# Allegro board RK3588_Template_LP4XD200P232SD8_41R0X41R0_2133MHz_H1R0_V10_20211230.brd (continued)
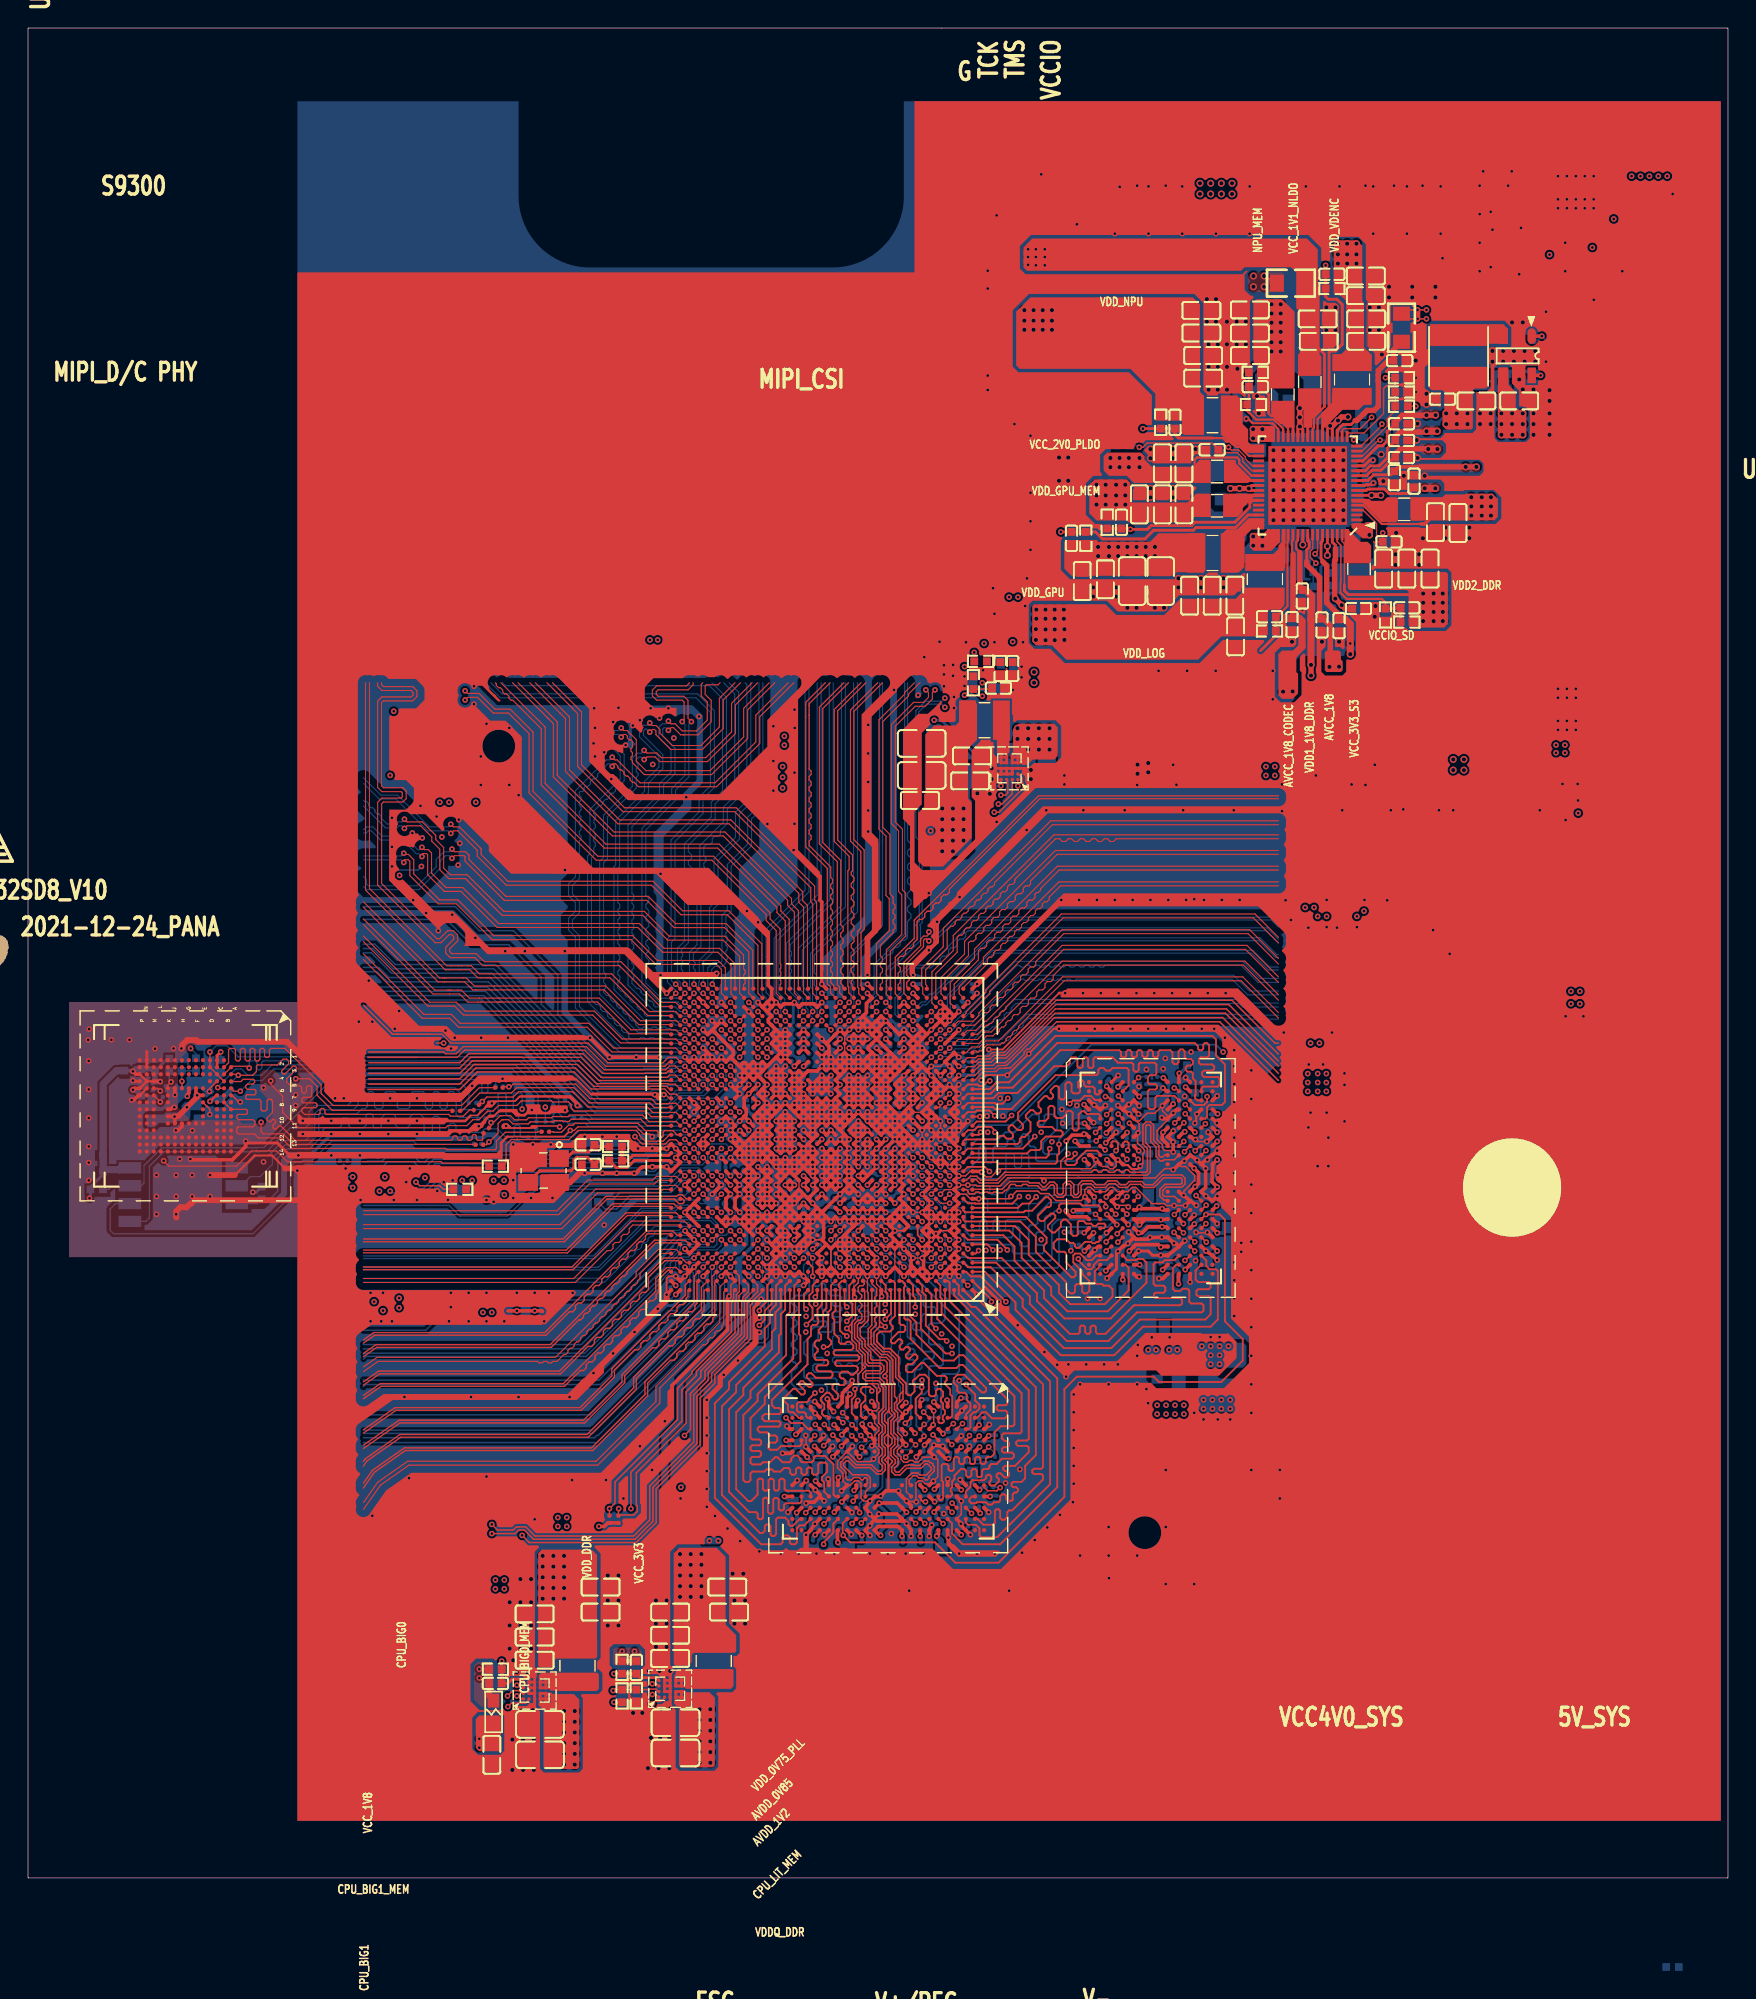
[diagram p0: board, top side]
## Routing (per net, layer and track width the routed paths; a pad name or vN(x,y) marks a point on that pad's centre or on a via; arc(x,y) is an arc through that point) (continued)
DDR_CH1_DQ9_C: length 26
  TOP w0.127: U3801.C11 66.77,25.3 66.93,25.14 67.48,25.14 67.74,24.88 67.74,24.38 67.87,24.26 69,24.26 72.77,28.02 72.77,35.35 67.48,40.64 67.18,40.64 66.26,41.56 66.26,42.18 65.94,42.5 U1000.B3
DDR_CH1_DQ9_D: length 27.9
  TOP w0.127: U3801.Y11 55.26,25.09 54.94,25.09 54.75,24.9 54.75,23.89 54.61,23.75 54.36,23.75 54.23,23.88 54.23,24.26 54.1,24.38 53.85,24.38 53.72,24.26 53.72,23.88 53.59,23.75 52.2,23.75 48.9,27.05 48.9,33.78 49.91,34.8 49.91,35.31 52.45,37.85 52.45,39.12 52.83,39.5 52.83,40.39 53.26,40.81 53.26,42.17 U1000.B22
DDR_CH1_DQ10_C: length 27.7
  TOP w0.127: U3801.E11 65.79,25.24 65.79,24.51 66.55,23.75 69.21,23.75 73.28,27.81 73.28,35.56 67.76,41.08 67.36,41.08 66.59,41.85 U1000.A2
DDR_CH1_DQ10_D: length 21.3
  TOP w0.127: v1(52.07,39.34) 52.45,39.73 52.45,40.39 52.94,40.88 U1000.A23 ; U3801.V11 v1(56.67,25.2)
  L6-S2 w0.127: v1(52.07,39.34) 52.04,39.34 51.7,39 51.7,27.93 54.8,24.84 56.31,24.84 v1(56.67,25.2)
DDR_CH1_DQ11_C: length 23.2
  TOP w0.127: U1000.B2 v1(66.91,42.18) ; v1(65.15,25.22) U3801.F11
  L6-S2 w0.089: 67.56,41.04 66.92,41.68 66.92,42.17 v1(66.91,42.18)
  L6-S2 w0.127: v1(65.15,25.22) 65.81,25.22 66.24,25.65 66.8,25.65 67.06,25.4 68.25,25.4 69.98,27.12 69.98,38.77 67.93,40.82 67.71,41.04 67.56,41.04
DDR_CH1_DQ11_D: length 24.6
  TOP w0.127: v1(56.64,23.75) 56.64,23.88 57.28,24.51 57.28,24.56 57.34,24.62 57.34,25.22 U3801.U11 ; v1(52.07,40.39) 52.07,40.51 52.62,41.07 52.62,42.19 U1000.B23
  L6-S2 w0.127: v1(52.07,40.39) 52.04,40.39 51.31,39.65 51.31,27.79 55.1,24 56.39,24 v1(56.64,23.75)
DDR_CH1_DQ12_C: length 25.4
  TOP w0.127: U1000.A5 64.64,41.85 64.64,41.25 64.73,41.15 64.73,39.79 70.23,34.3 70.23,32.28 70.1,32.15 69.24,32.15 68.81,31.72 68.81,30.2 68.58,29.97 68.3,29.97 68.19,29.86 68.19,29.58 68.08,29.46 67.92,29.46 67.81,29.58 67.81,29.86 67.7,29.97 67.54,29.97 67.43,29.86 67.43,29.58 67.32,29.46 67.16,29.46 67.05,29.58 67.05,29.86 66.94,29.97 66.78,29.97 66.67,29.86 66.67,29.58 66.56,29.46 66.4,29.46 66.29,29.58 66.29,29.86 66.18,29.97 66.04,29.97 65.91,29.85 65.91,29.08 65.81,28.98 65.63,28.98 65.53,29.08 65.53,29.34 65.41,29.46 65.15,29.46 65.05,29.36 65.05,28.29 65.15,28.19 65.15,27.43 65.15,27.43 65.15,27.01 65.05,26.91 64.91,26.91 64.82,27 U3801.F9
DDR_CH1_DQ12_D: length 26.3
  TOP w0.127: U1000.A20 54.89,38.71 54.99,38.61 54.99,36.77 52.45,34.23 52.45,33.74 51.44,32.73 51.44,31.34 51.56,31.21 52.07,31.21 52.2,31.08 52.2,30.9 52.09,30.79 51.55,30.79 51.44,30.68 51.44,30.5 51.55,30.39 52.09,30.39 52.2,30.28 52.2,30.1 52.07,29.97 51.56,29.97 51.44,29.85 51.44,29.56 51.56,29.44 52.17,29.44 52.32,29.59 52.83,29.59 53.19,29.95 53.37,29.95 53.72,29.59 54.21,29.59 54.34,29.72 54.34,29.86 54.54,30.06 54.78,30.06 54.98,29.86 54.98,29.72 55.11,29.59 55.81,29.59 55.93,29.72 55.93,29.92 56.05,30.04 56.75,30.04 57.35,29.44 57.35,27.28 57.48,27.15 U3801.U9
DDR_CH1_DQ13_C: length 26.2
  TOP w0.127: U1000.B5 64.96,42.19 64.96,41.33 65.05,41.25 65.05,40.2 70.74,34.51 70.74,31.76 70.63,31.65 69.45,31.65 69.34,31.53 69.34,31.29 69.54,31.09 69.72,31.09 69.85,30.97 69.85,30.79 69.72,30.66 69.45,30.66 69.34,30.55 69.34,30.39 69.45,30.28 70.06,30.28 70.19,30.15 70.19,29.97 70.06,29.84 69.34,29.84 68.96,29.46 68.58,29.46 68.45,29.34 68.45,29.21 68.35,29.1 68.04,29.1 67.93,28.99 67.93,28.65 67.82,28.54 67.66,28.54 67.55,28.65 67.55,28.99 67.43,29.1 67.28,29.1 67.17,28.99 67.17,28.65 67.05,28.54 66.9,28.54 66.78,28.65 66.78,28.99 66.67,29.1 66.42,29.1 65.96,28.65 65.96,28.39 65.79,28.23 65.79,27.82 65.69,27.72 65.69,27.54 65.79,27.43 65.79,27.26 65.67,27.14 65.49,27.14 U3801.E9
DDR_CH1_DQ13_D: length 27.9
  TOP w0.127: U3801.V9 56.69,27.48 56.69,28.15 56.51,28.32 56.51,28.52 56.9,28.9 56.9,29.44 56.77,29.56 56.39,29.56 56.26,29.44 56.26,28.83 56.13,28.7 55.94,28.7 55.82,28.81 55.82,29.1 55.71,29.21 55.56,29.21 55.44,29.1 55.44,28.81 55.33,28.7 55.17,28.7 55.06,28.81 55.06,29.1 54.95,29.21 54.79,29.21 54.68,29.1 54.68,28.81 54.57,28.7 54.39,28.7 54.26,28.83 54.26,29.06 54.14,29.18 53.82,29.18 53.57,28.93 53.12,28.93 52.96,29.08 52.58,29.08 52.42,28.93 51.56,28.93 51.44,28.8 51.44,28.32 51.31,28.19 51.05,28.19 50.93,28.32 50.93,32.94 51.94,33.95 51.94,34.44 54.48,36.98 54.48,39.88 54.56,39.95 54.56,42.17 54.89,42.5 U1000.B20
DDR_CH1_DQ14_C: length 24.7
  TOP w0.127: U1000.A4 65.29,40.67 71.25,34.72 71.25,31.25 71.14,31.14 70.47,31.14 70.36,31.03 70.36,30.87 70.47,30.76 71.14,30.76 71.25,30.65 71.25,30.31 70.27,29.34 69.56,29.34 69.43,29.21 69.43,29.08 69.56,28.96 69.72,28.96 69.85,28.83 69.85,28.65 69.71,28.51 69.53,28.51 69.24,28.8 69.06,28.8 68.96,28.7 68.96,28.55 69.11,28.4 69.11,28.22 68.83,27.93 68.53,27.93 68.45,28.01 68.45,28.19 68.58,28.32 68.58,28.58 68.45,28.7 68.33,28.7 68.2,28.58 68.2,28.45 68.06,28.31 67.23,28.31 67.1,28.18 67.1,27.84 66.77,27.51 U3801.C9
DDR_CH1_DQ14_D: length 26.6
  TOP w0.127: U1000.A21 54.24,40.27 53.98,40.01 53.98,37.21 51.44,34.67 51.44,34.17 50.42,33.15 50.42,27.68 51.28,26.82 51.48,26.82 51.94,27.29 51.94,28.32 52.04,28.42 52.22,28.42 52.32,28.32 52.32,27.69 52.44,27.57 52.61,27.57 52.72,27.69 52.72,28.31 52.83,28.42 52.9,28.42 52.91,28.42 52.99,28.42 53.1,28.31 53.1,27.69 53.21,27.57 53.37,27.57 53.48,27.69 53.48,28.31 53.59,28.42 53.75,28.42 53.86,28.31 53.86,27.69 53.98,27.57 54.09,27.57 54.1,27.56 55.59,27.56 55.72,27.43 U3801.Y9
DDR_CH1_DQ15_C: length 24.7
  TOP w0.127: U1000.B4 65.49,42.5 65.61,42.38 65.61,41.07 71.75,34.93 71.75,30.1 70.99,29.34 70.99,28.45 70.74,28.19 70.13,28.19 70.03,28.09 70.03,27.91 70.13,27.81 70.36,27.81 70.48,27.69 70.48,27.56 70.36,27.43 70.23,27.43 70.1,27.31 70.1,26.92 70.11,26.92 70.03,26.85 69.78,26.85 69.65,26.98 69.65,27.18 69.52,27.31 69.34,27.31 69.22,27.18 69.22,26.87 69.09,26.74 68.78,26.74 68.62,26.58 68.36,26.58 68.2,26.74 67.56,26.74 67.49,26.67 67.16,26.67 67.03,26.8 67.03,26.98 67.21,27.15 U3801.B9
DDR_CH1_DQ15_D: length 27.9
  TOP w0.127: U1000.B21 54.24,42.5 53.91,42.17 53.91,40.44 53.59,40.13 53.59,38.73 53.47,38.61 53.47,37.42 50.93,34.88 50.93,34.38 49.91,33.36 49.91,27.47 51.35,26.04 51.84,26.04 51.95,25.92 51.95,25.64 52.06,25.53 52.22,25.53 52.33,25.64 52.33,26.95 52.44,27.07 52.57,27.07 52.68,26.95 52.68,26.04 52.79,25.93 52.95,25.93 53.06,26.04 53.06,26.94 53.17,27.05 53.33,27.05 53.44,26.94 53.44,26.27 53.55,26.16 53.71,26.16 53.82,26.27 53.82,26.54 53.95,26.67 54.94,26.67 55.07,26.8 U3801.AA9
DDR_CH1_DQS0N_C: length 15.8
  TOP w0.102: U3801.E3 65.86,32.34 v1(65.88,32.34) ; U1000.D9 v1(62.36,43.48)
  L6-S2 w0.099: v1(65.88,32.34) 66.02,32.34 66.22,32.54 66.22,32.67 66.44,32.89 66.64,32.89 67.44,33.69 67.44,38.31 64.96,40.79 64.75,40.79 62.92,42.63 62.92,43.4 62.57,43.74 62.47,43.74 62.36,43.64 v1(62.36,43.48)
DDR_CH1_DQS0N_D: length 20.6
  TOP w0.102: v1(57.17,45.43) 57.49,45.75 U1000.G16 ; U3801.V3 v1(56.7,32.28)
  L6-S2 w0.099: v1(56.7,32.28) 56.53,32.28 56.43,32.38 56.43,32.52 56.64,32.73 56.64,33.25 56.92,33.53 57.26,33.53 57.48,33.75 57.48,34.5 57.38,34.6 57.38,34.74 57.48,34.84 57.48,35.17 57.27,35.38 56.76,35.38 56.67,35.48 56.67,35.6 56.76,35.69 57.32,35.69 57.53,35.9 57.53,36.2 57.32,36.4 56.76,36.4 56.67,36.49 56.67,36.62 56.76,36.71 57.26,36.71 57.53,36.98 57.53,39.01 57.26,39.28 57.26,39.44 57.53,39.7 57.53,40.15 57.31,40.37 57.17,40.37 57.06,40.47 57.06,40.62 57.17,40.72 57.32,40.72 57.54,40.94 57.54,41.25 57.32,41.47 57.02,41.47 56.92,41.57 56.92,41.72 57.02,41.82 57.39,41.82 57.6,42.03 57.6,42.32 57.1,42.82 57.1,44.75 56.68,45.17 56.68,45.61 56.78,45.71 56.92,45.71 57.16,45.46 v1(57.16,45.43)
DDR_CH1_DQS0P_C: length 15.9
  TOP w0.102: U3801.D3 66.51,32.34 v1(66.53,32.34) ; U1000.E9 v1(62.36,44.13)
  L6-S2 w0.099: v1(66.53,32.34) 66.5,32.34 66.42,32.42 66.42,32.59 66.52,32.69 66.73,32.69 67.64,33.6 67.64,38.4 65.04,41 64.83,41 63.12,42.71 63.12,43.48 62.66,43.94 62.47,43.94 62.36,44.04 v1(62.36,44.13)
DDR_CH1_DQS0P_D: length 20.8
  TOP w0.102: U3801.W3 v1(56.05,32.28) ; U1000.H16 v1(57.17,46.08)
  L6-S2 w0.099: v1(56.05,32.28) 56.17,32.28 56.23,32.34 56.23,32.61 56.44,32.82 56.44,33.33 56.84,33.73 57.18,33.73 57.28,33.83 57.28,34.42 57.18,34.52 57.18,34.83 57.28,34.93 57.28,35.09 57.19,35.18 56.68,35.18 56.46,35.39 56.46,35.69 56.67,35.9 57.24,35.9 57.33,35.98 57.33,36.11 57.24,36.2 56.67,36.2 56.46,36.41 56.46,36.7 56.67,36.91 57.17,36.91 57.33,37.07 57.33,38.93 57.06,39.2 57.06,39.52 57.33,39.79 57.33,40.07 57.23,40.17 57.08,40.17 56.86,40.39 56.86,40.7 57.08,40.92 57.24,40.92 57.34,41.02 57.34,41.17 57.24,41.27 56.94,41.27 56.72,41.49 56.72,41.8 56.94,42.02 57.31,42.02 57.4,42.11 57.4,42.24 56.9,42.74 56.9,44.67 56.48,45.09 56.48,45.7 56.75,45.97 57.06,45.97 v1(57.16,46.08)
DDR_CH1_DQS1N_C: length 23.4
  TOP w0.102: v1(64.32,43.48) 64.64,43.8 U1000.D5 ; v1(65.8,26.03) U3801.E10
  L6-S2 w0.099: v1(65.8,26.03) 65.95,26.19 66.57,26.19 67.18,26.8 67.18,28.54 67.34,28.7 67.94,28.7 68.15,28.92 68.15,29.38 68.28,29.51 68.75,29.51 69.13,29.9 69.13,37.77 65.12,41.78 64.89,41.78 63.98,42.69 63.98,43.47 64.08,43.57 64.22,43.57 v1(64.32,43.48)
DDR_CH1_DQS1N_D: length 24.5
  TOP w0.102: U3801.V10 v1(56.7,26.03) ; U1000.E21 v1(54.56,44.13)
  L6-S2 w0.099: v1(54.56,44.13) 54.56,44.01 54.68,43.89 54.89,43.89 55.11,43.67 55.11,43.2 54.48,42.57 54.48,42.04 54.1,41.66 54.1,40.23 53.34,39.46 53.34,38.4 52.96,38.02 52.96,28.68 53.06,28.58 53.34,28.58 53.44,28.68 53.44,29.19 53.69,29.44 54.11,29.44 54.36,29.19 54.36,27.9 54.82,27.43 55.63,27.43 56.26,26.8 56.26,26.54 56.47,26.33 56.47,26.13 56.57,26.03 v1(56.7,26.03)
DDR_CH1_DQS1P_C: length 23.7
  TOP w0.102: v1(64.32,44.13) 64.64,44.45 U1000.E5 ; v1(65.79,26.68) U3801.D10
  L6-S2 w0.099: v1(64.32,44.13) 64.32,44.01 64.08,43.77 64,43.77 63.78,43.56 63.78,42.61 64.81,41.58 65.03,41.58 68.93,37.68 68.93,29.99 68.66,29.72 68.2,29.72 67.95,29.47 67.95,29 67.85,28.91 67.26,28.91 66.98,28.63 66.98,26.88 66.49,26.39 65.94,26.39 65.79,26.53 v1(65.79,26.68)
DDR_CH1_DQS1P_D: length 24.1
  TOP w0.102: U1000.D21 54.24,43.8 v1(54.56,43.48) ; U3801.W10 v1(56.05,26.03)
  L6-S2 w0.099: v1(54.56,43.48) 54.56,43.59 54.67,43.69 54.81,43.69 54.91,43.59 54.91,43.29 54.28,42.65 54.28,42.12 53.9,41.74 53.9,40.31 53.14,39.55 53.14,38.48 52.76,38.1 52.76,28.59 52.98,28.37 53.42,28.37 53.65,28.59 53.65,29.11 53.77,29.24 54.03,29.24 54.15,29.11 54.15,27.81 54.74,27.23 55.54,27.23 56.06,26.71 56.06,26.46 56.27,26.25 56.27,26.13 56.17,26.03 v1(56.05,26.03)
DDR_CH1_LP4/4X_CKE0/LP5_CS0_C: length 15.5
  TOP w0.086: U1000.D11 60.74,43.8 v1(61.06,43.48)
  BOTTOM w0.086: v1(61.06,43.48) 61.63,43.48 61.72,43.39 61.72,42.55 61.59,42.42 61.21,42.42 61.09,42.29 61.09,42.04 61.21,41.91 61.98,41.91 62.1,41.78 62.1,37.63 61.98,37.5 61.98,37.12 62.1,36.99 62.1,36.61 61.98,36.48 61.98,36.1 62.1,35.98 62.1,35.6 61.98,35.47 61.98,35.09 62.1,34.96 62.1,34.42 61.85,34.16 61.85,33.27 61.59,33.02 61.59,31.35 61.72,31.23 61.96,31.23 R3812.1
DDR_CH1_LP4/4X_CKE0/LP5_CS0_D: length 20.4
  TOP w0.086: v1(57.81,43.48) U1000.D16
  BOTTOM w0.086: v1(57.81,43.48) 58.14,43.15 58.14,42.44 58.29,42.29 58.29,41.15 58.67,40.77 58.67,38.1 58.55,37.97 58.04,37.97 57.91,38.1 57.91,38.52 57.83,38.61 57.4,38.61 57.28,38.48 57.28,37.72 57.48,37.52 59.31,37.52 59.44,37.39 59.44,37.21 59.31,37.08 57.4,37.08 57.28,36.96 57.28,36.78 57.4,36.65 57.79,36.65 57.99,36.45 58.22,36.45 58.42,36.65 58.6,36.65 58.8,36.45 58.98,36.45 59.18,36.65 59.49,36.65 59.64,36.5 59.64,33.35 59.33,33.04 59.33,32.94
DDR_CH1_LP4/4X_CKE0_C: length 1.9
  TOP w0.086: v1(63.19,30.83) U3801.J4
  BOTTOM w0.086: R3812.2 62.23,30.48 62.74,30.48 63.04,30.78 63.14,30.78 v1(63.19,30.83)
DDR_CH1_LP4/4X_CKE0_D: length 1.7
  TOP w0.086: U3801.P4 59.29,31.48 v1(59.29,31.49)
  BOTTOM w0.086: 58.98,32.59 59.03,32.54 59.03,31.74 59.28,31.49 v1(59.29,31.49)
DDR_CH1_LP4/4X_CKE1/LP5_CS1_C: length 16.9
  TOP w0.086: v1(61.06,44.13) 60.74,44.45 U1000.E11
  BOTTOM w0.086: v1(61.06,44.13) 60.74,43.8 60.74,42.69 60.71,42.66 60.71,41.98 61.47,41.22 61.47,33.53 61.21,33.27 61.21,30.45 61.34,30.33 61.34,29.95 61.21,29.82 61.21,29.47 61.45,29.23 61.85,29.23 61.98,29.36 R3813.1
DDR_CH1_LP4/4X_CKE1/LP5_CS1_D: length 21.3
  TOP w0.086: v1(57.81,44.13) U1000.E16
  BOTTOM w0.086: R3815.1 60.45,31.85 60.45,34.87 60.15,35.18 60.15,37.08 60.02,37.21 59.92,37.21 59.82,37.31 59.82,37.49 59.92,37.59 60.33,37.59 60.45,37.72 60.45,37.87 60.33,37.99 59.31,37.99 59.18,38.12 59.18,38.3 59.31,38.43 59.97,38.43 60.1,38.56 60.1,38.73 59.97,38.86 59.28,38.86 59.18,38.96 59.18,39.14 59.28,39.24 59.69,39.24 59.82,39.37 59.82,39.48 59.71,39.59 59.17,39.59 59.05,39.7 59.05,39.86 59.17,39.97 59.83,39.97 59.94,40.08 59.94,40.24 59.83,40.35 59.17,40.35 59.05,40.46 59.05,40.62 59.17,40.73 59.73,40.73 59.82,40.82 59.82,41.66 59.69,41.78 58.93,41.78 58.79,41.92 58.79,43.61 58.6,43.8 57.92,43.8 57.81,43.91 v1(57.81,44.13)
DDR_CH1_LP4/4X_CKE1_C: length 1.2
  TOP w0.086: U3801.J5 62.49,29.97 v1(62.49,29.94)
  BOTTOM w0.086: R3813.2 62,30.12 62.34,30.12 62.49,29.97 v1(62.49,29.94)
DDR_CH1_LP4/4X_CKE1_D: length 1.7
  TOP w0.086: v1(59.35,30.65) 59.35,30.63 U3801.P5
  BOTTOM w0.086: R3815.2 60.22,31.12 59.89,31.12 59.43,30.65 v1(59.35,30.65)
DDR_CH1_LP4/4X_CS0_C: length 20.4
  TOP w0.127: U3801.H4 63.79,31.42 63.79,31.45 v1(63.79,31.45) ; U1000.G11 v1(61.06,45.43)
  BOTTOM w0.089: v1(61.06,45.43) 61.52,45.43 62.04,44.91 62.04,44.64 62.23,44.45 62.5,44.45 62.69,44.26 62.69,43.88 63,43.57
  BOTTOM w0.127: 63,43.57 63.07,43.5 63.07,42.85 65.28,40.64 65.28,39.75 65.02,39.5 64.26,39.5 64.14,39.37 64.14,38.1 64.26,37.97 64.9,37.97 65.15,37.72 65.15,36.58 65.02,36.45 64.26,36.45 64.14,36.32 64.14,34.75 63.82,34.43 63.51,34.43 63.25,34.16 63.25,32.17 63.79,31.63 v1(63.79,31.45)
DDR_CH1_LP4/4X_CS0_D: length 21
  TOP w0.127: v1(58.65,31.47) U3801.R4 ; U1000.E19 55.54,44.45 v1(55.86,44.13)
  BOTTOM w0.089: 55.63,42.44 55.54,42.53 55.54,43.32 55.86,43.65 v1(55.86,44.13)
  BOTTOM w0.127: 55.63,42.44 55.63,41.78 55.31,41.47 54.67,41.47 54.36,41.15 54.36,40.92 54.5,40.77 54.59,40.77 54.74,40.62 54.74,40.41 54.59,40.26 54.5,40.26 54.36,40.11 54.36,39.9 54.5,39.75 54.59,39.75 54.74,39.61 54.74,39.4 54.59,39.25 54.5,39.25 54.36,39.1 54.36,38.89 54.5,38.74 54.59,38.74 54.74,38.59 54.74,38.38 54.59,38.23 54.5,38.23 54.36,38.08 54.36,37.87 54.5,37.72 54.59,37.72 54.74,37.57 54.74,37.36 54.59,37.21 54.5,37.21 54.36,37.07 54.36,36.86 54.5,36.71 54.59,36.71 54.74,36.56 54.74,36.35 54.59,36.2 54.5,36.2 54.36,36.05 54.36,35.18 54.74,34.8 55.07,34.8 55.37,35.1 56.77,35.1 56.9,34.98 56.9,34.59 56.52,34.21 56.52,33.02 57.04,32.5 57.04,32.08 57.2,31.92 58.25,31.92 58.65,31.52 v1(58.65,31.47)
DDR_CH1_LP4/4X_CS1_C: length 19.2
  TOP w0.127: v1(63.8,32.29) 63.8,32.24 U3801.H3 ; U1000.H11 v1(61.06,46.08)
  BOTTOM w0.089: 63.47,43.84 63.34,43.98 63.34,44.26 63.15,44.45 62.88,44.45 62.69,44.64 62.69,44.91 62.5,45.1 62.16,45.1 61.55,45.72 61.42,45.72 v1(61.06,46.08)
  BOTTOM w0.127: 63.47,43.84 63.47,43.18 66.29,40.36 66.29,36.07 66.1,35.88 65.14,35.88 65.01,35.75 65.01,33 64.8,32.79 64.36,32.79 63.85,32.29 v1(63.8,32.29)
DDR_CH1_LP4/4X_CS1_D: length 20.7
  TOP w0.127: U1000.D19 55.54,43.8 55.86,43.48 v1(55.86,42.83) ; v1(58.67,32.26) 58.67,32.25 U3801.R3
  BOTTOM w0.127: v1(55.86,42.83) 55.96,42.74 55.96,42.21 56.06,42.11 56.26,42.11 56.46,42.32 56.67,42.32 56.77,42.21 56.77,42.01 56.52,41.76 56.52,40.54 56.67,40.38 56.78,40.38 56.9,40.27 56.9,40.11 56.78,40 55.99,40 55.88,39.89 55.88,39.73 55.99,39.62 56.78,39.62 56.9,39.51 56.9,39.35 56.78,39.24 55.99,39.24 55.75,39 55.75,38.61 55.24,38.1 55.24,37.34 55.5,37.08 55.5,36.58 55.24,36.32 55.24,35.69 55.37,35.56 57.45,35.56 57.58,35.43 57.58,34.49 57.89,34.19 57.89,34.01 57.66,33.78 57.28,33.78 56.97,33.48 56.97,33.07 57.28,32.77 58.16,32.77 v1(58.67,32.26)
DDR_RESET: length 91.6
  TOP w0.127: U3801.T11 58,25.23 58,24.42 v1(58.04,24.38) 58.54,23.89 64.58,23.89 66.03,22.44 69.1,22.44 73.79,27.13 73.79,34.8 74.68,35.69 80.14,35.69 80.52,35.31 84.96,35.31 86.49,36.83 86.49,38.35 85.22,39.62 85.22,46.86 84.85,47.23 83.87,47.23 v1(83.86,47.23) U3800.T11 ; U1000.T4 65.29,51.6 v1(65.61,51.28)
  L6-S2 w0.127: v1(83.86,47.23) 84.01,47.37 84.71,47.37 85.22,47.88 85.22,58.67 v1(85.09,58.8)
  BOTTOM w0.089: 66.59,51.6 65.94,51.6 v1(65.61,51.28) ; v1(58.04,24.38) 57.79,24.63 C9314.1
  BOTTOM w0.127: 66.59,51.6 66.73,51.75 66.73,52.26 66.8,52.32 66.8,52.7 67.69,53.59 69.98,53.59 70.14,53.76 70.19,53.76 70.55,54.12 70.55,54.16 75.7,59.32 84.57,59.32 v1(85.09,58.8)
  BOTTOM w0.254: v1(83.86,47.23) 84.03,47.39 C3844.1
DP1_AUXN: length 58.3
  TOP w0.084: U1000.AM10 v1(61.07,62.33)
  L6-S2 w0.077: 32.93,85.09 33.72,84.3 34.2,84.3 61.27,84.3 61.81,83.77 65.05,83.77 v1(65.28,83.99)
  BOTTOM w0.084: v1(61.06,62.33) 61.21,62.48 61.21,62.69 61.09,62.82 61.09,63.07 61.21,63.2 61.21,63.45 61.09,63.57 61.09,63.83 61.21,63.95 61.21,64.2 61.09,64.33 61.09,64.58 61.24,64.73 61.24,64.89 61.42,65.07 61.57,65.07 63.34,66.84 63.34,67.69 63.21,67.82 63.21,67.85 63.46,68.1 63.46,73.85 63.21,74.1 63.21,83.09 63.64,83.52 63.65,83.52 63.9,83.77 65.05,83.77 v1(65.28,83.99)
DP1_AUXP: length 58.6
  TOP w0.084: U1000.AL10 v1(61.07,61.68)
  L6-S2 w0.077: 32.64,85.09 33.63,84.1 34.28,84.1 34.28,84.1 61.19,84.1 61.72,83.57 65.05,83.57 v1(65.28,83.34)
  BOTTOM w0.084: v1(61.06,61.68) 61.06,61.87 61.42,62.22 61.42,64.63 63.54,66.75 63.54,67.77 63.48,67.83 63.66,68.01 63.66,73.94 63.41,74.19 63.41,83.01 63.72,83.32 63.74,83.32 63.98,83.57 65.05,83.57 v1(65.28,83.34)
DP1_TX2N: length 24.3
  TOP w0.076: v1(64.58,84.58) 64.39,84.39 64.39,83.93 63.87,83.41 63.17,83.41 61.75,81.99 61.75,75.17 62.26,74.66 62.26,70.35 62.48,70.12 62.48,67.06 61.39,65.96 61.39,63.32 61.38,63.31 61.38,63.3 61.38,63.3 U1000.AP10
  L6-S2 w0.076: v1(64.58,84.58) 64.43,84.73 64.43,84.82 64.16,85.09
DP1_TX2P: length 55.3
  TOP w0.076: U1000.AN10 61.1,62.94 61.1,63.42 61.11,63.43 61.11,66.08 62.2,67.17 62.2,70 61.98,70.23 61.98,74.55 61.47,75.06 61.47,82.11 63.05,83.69 63.75,83.69 64.11,84.05 64.11,84.39 v1(63.92,84.58)
  L6-S2 w0.076: 33.75,85.09 33.96,84.89 62.05,84.89 62.22,84.71 62.45,84.71 62.63,84.89 62.86,84.89 63.04,84.71 63.26,84.71 63.44,84.89 63.9,84.89 63.96,84.83 63.96,84.62 v1(63.92,84.58)
DP1_TX3N: length 24.3
  TOP w0.076: 63.1,85.09 62.41,84.39 62.41,84.27 60.58,82.44 60.58,74.68 61.09,74.17 61.09,69.94 61.32,69.71 61.32,67.43 60.4,66.51 60.4,62.99 U1000.AN11
DP1_TX3P: length 24.3
  TOP w0.076: U1000.AP11 60.68,63.36 60.68,63.59 60.83,63.75 60.83,63.97 60.68,64.13 60.68,64.35 60.83,64.51 60.83,64.74 60.68,64.89 60.68,65.12 60.83,65.27 60.83,65.5 60.68,65.65 60.68,66.4 61.59,67.31 61.59,67.49 61.72,67.61 61.72,67.84 61.59,67.97 61.59,68.2 61.72,68.33 61.72,68.55 61.59,68.68 61.59,68.91 61.72,69.04 61.72,69.27 61.59,69.39 61.59,69.83 61.37,70.06 61.37,74.28 60.86,74.79 60.86,82.33 62.69,84.16 62.69,84.28 63.5,85.09
EMMC_CLKOUT: length 25.3
  TOP w0.086: v1(9.42,55.24) 9.42,55.25 U4000.M6 ; v1(9.65,51.05) 10.03,50.67 14.84,50.67 15.92,51.75 16.26,51.75 17.68,51.75 18.45,50.99 29.41,50.99 29.51,50.89 32.61,50.89 R1317.2
  BOTTOM w0.086: C4005.1 9.42,55.39 v1(9.42,55.24)
EMMC_CMD: length 27.5
  TOP w0.086: U4000.M5 9.23,56.22 v1(9.42,56.03) ; v1(16.59,53.8) 16.59,53.13 16.75,52.97 18.15,52.97 18.9,52.22 31.86,52.22 R1310.2
  L6-S2 w0.079: v1(16.59,53.8) 15.67,53.8 14.35,55.12 14.35,56.13 13.84,56.64 11.94,56.64 11.38,56.09 11.16,56.09 10.9,55.83 10.9,55.47 10.72,55.3 10.14,55.3 v1(9.42,56.03)
  BOTTOM w0.086: R4000.2 9.33,56.11 v1(9.42,56.03)
EMMC_CMD/FSPI_CLK: length 15.7
  TOP w0.086: 38.1,53.85 38.1,53.85 38.04,53.9 37.89,53.9 37.89,53.91 37.47,53.91 37.39,53.83 35.76,53.83 35.61,53.68 34.52,53.68 34.22,53.98 33.85,53.98 33.85,53.97 33.74,53.97 33.46,53.7 33.46,53.02 32.84,52.4 v1(32.82,52.4) 32.82,52.37 32.64,52.2 32.38,52.2
  TOP w0.089: 38.1,53.85 38.51,53.85 38.68,54.01 43.62,54.01 44.08,53.55 U1000.W34
  BOTTOM w0.086: v1(32.82,52.4) 32.82,52.37 32.7,52.26 R1304.1
EMMC_D0: length 29.4
  TOP w0.086: U4000.A3 14.9,57.22 v1(14.97,57.14) 16,57.14 16.26,57.4 16.26,57.78 16.35,57.88 17.74,57.88 18.16,58.29 18.41,58.29 18.55,58.16 18.55,57.96 18.05,57.46 18.05,57.34 18.17,57.23 18.29,57.23 18.85,57.79 19.02,57.79 19.11,57.71 19.11,57.58 18.41,56.89 18.41,56.66 18.69,56.39 19.37,56.39 19.47,56.29 19.47,55.98 19.57,55.88 19.72,55.88 19.82,55.98 19.82,56.29 19.92,56.39 20.11,56.39 20.19,56.3 20.19,55.67 20.09,55.57 19.6,55.57 19.5,55.47 19.5,55.28 19.6,55.18 20.47,55.18 20.57,55.08 20.57,54.93 20.47,54.83 19.6,54.83 19.5,54.73 19.5,54.54 19.69,54.36 20.69,54.36 20.79,54.46 20.79,54.68 20.89,54.78 21.03,54.78 21.13,54.68 21.13,54.46 21.23,54.36 29.95,54.36 30.08,54.23 30.99,54.23 31.43,54.67 R1306.2
  BOTTOM w0.086: R4001.2 14.48,56.65 v1(14.97,57.14)
EMMC_D0/FSPI_D0: length 16
  TOP w0.086: 38.73,55.97 34.92,55.97 34.54,55.59 34.09,55.59 32.66,55.59 v1(32.34,55.27) 32.09,55.03 R1306.1
  TOP w0.089: 38.73,55.97 38.77,55.97 38.86,55.88 38.86,55.88 38.86,55.88 39.85,54.89 44.08,54.89 44.47,54.5 46.14,54.5 U1000.Y33
  BOTTOM w0.086: v1(32.34,55.27) 32,55.27 R1300.1
EMMC_D1: length 28.3
  TOP w0.086: R1307.2 32.37,52.94 32.37,52.56 32.32,52.52 32,52.52 31.92,52.6 31.92,52.83 31.84,52.91 31.71,52.91 31.62,52.83 31.62,52.62 31.51,52.51 31.37,52.51 31.27,52.61 31.27,52.72 31.17,52.82 31.02,52.82 30.92,52.72 30.92,52.61 30.82,52.51 30.68,52.51 30.58,52.61 30.58,52.72 30.48,52.82 30.33,52.82 30.23,52.72 30.23,52.61 30.13,52.51 19.02,52.51 18,53.53 17.86,53.53 17.65,53.32 17.53,53.31 17.44,53.4 17.44,53.6 17.62,53.77 17.62,53.91 17.54,53.99 17.41,53.99 17.27,53.85 17.15,53.85 17.02,53.97 17.02,54.1 17.4,54.48 17.4,55.34 17.31,55.43 17.1,55.43 17.02,55.34 17.02,54.73 16.9,54.61 16.67,54.61 16.59,54.7 16.59,55.3 16.45,55.43 15.56,55.43 15.49,55.5 15.49,55.67 15.58,55.75 16.13,55.75 16.22,55.84 16.22,56.05 16.13,56.13 15.62,56.13 15.49,56.26 15.49,56.39 15.62,56.52 16,56.52 16.13,56.64 16.13,56.77 16.04,56.85 15.31,56.85 15.15,56.7 14.47,56.7 U4000.A4
EMMC_D1/FSPI_D1: length 15.3
  TOP w0.086: R1307.1 32.97,53.54 v1(32.97,53.77) 33.12,53.77 33.62,54.26 33.73,54.26 33.73,54.27 34.34,54.27 34.64,53.97 35.49,53.97 35.64,54.12 37.27,54.12 37.35,54.2 38,54.2 38.01,54.2 38.45,54.2
  TOP w0.089: U1000.W33 46.14,53.85 45.91,53.85 45.91,53.85 45.67,53.85 45.67,53.85 44.21,53.85 43.75,54.31 38.56,54.31 38.45,54.2
  BOTTOM w0.086: R1301.1 32.68,54.06 v1(32.97,53.77)
EMMC_D2: length 25.3
  TOP w0.086: U4000.A5 14.66,56.01 v1(15.11,56.01)
  BOTTOM w0.086: R1308.2 36.2,54.37 36.31,54.48 36.31,55.76 34.49,57.59 17.48,57.59 16.67,56.77 15.88,56.77 v1(15.11,56.01)
EMMC_D2/FSPI_D2: length 12
  TOP w0.089: U1000.V32 v1(46.76,53.23)
  BOTTOM w0.086: 44.99,53.23 44.98,53.22 39.25,53.22 38.79,52.77 36.49,52.77 36.43,52.71 36.14,52.71 36.14,52.71 36.14,53.28 R1308.1
  BOTTOM w0.089: v1(46.76,53.23) 44.99,53.23
EMMC_D3: length 28.7
  TOP w0.086: R1309.2 32.13,56.26 30.86,54.99 21.72,54.99 20.89,55.81 20.89,55.83 20.86,55.85 20.86,56.48 18.29,59.06 17.29,59.06 17.19,58.95 17.19,58.51 17.1,58.42 16.93,58.42 16.84,58.51 16.84,58.95 16.74,59.06 16.6,59.06 16.49,58.95 16.49,58.27 16.39,58.17 16.25,58.17 16.15,58.27 16.15,58.95 16.05,59.06 15.9,59.06 15.8,58.95 15.8,58.27 15.7,58.17 15.56,58.17 15.46,58.27 15.46,58.95 15.36,59.06 15.21,59.06 15.11,58.95 15.11,58.27 15.01,58.17 14.87,58.17 14.77,58.27 14.77,58.95 14.67,59.06 14.36,59.06 14.27,58.97 14.27,58.04 U4000.B2
EMMC_D3/FSPI_D3: length 13.9
  TOP w0.086: 34.42,56.39 34.36,56.33 v1(34.23,56.33) 33.84,56.33 R1309.1
  TOP w0.089: 34.42,56.39 34.54,56.52 38.99,56.52 40.03,55.47 44.38,55.47 44.73,55.12 45.64,55.12 45.67,55.15 46.14,55.15 U1000.AA33
  BOTTOM w0.086: v1(34.23,56.33) 33.82,56.33 R1303.1
EMMC_D4: length 28.9
  TOP w0.086: v1(15.75,57.66) 15.62,57.79 14.52,57.79 U4000.B3
  BOTTOM w0.086: v1(15.75,57.66) 15.75,58.08 15.83,58.17 16.19,58.17 16.29,58.06 16.29,57.63 16.39,57.53 16.54,57.53 16.64,57.63 16.64,58.06 16.74,58.17 35.02,58.17 37.78,55.4 37.78,54.46 38.04,54.2 38.79,54.2 R1314.2
EMMC_D5: length 29.6
  TOP w0.086: v1(12.95,58.8) 12.95,57.79 12.95,57.79 12.95,57.71 13.77,56.9
  TOP w0.089: 13.77,56.9 U4000.B4
  BOTTOM w0.086: R1315.2 38.05,55.58 38.02,55.58 35.14,58.46 14.95,58.46 14.16,59.25 13.4,59.25 v1(12.95,58.8)
EMMC_D6: length 26.7
  TOP w0.089: U4000.B5 13.55,56.22 v1(13.5,56.27)
  BOTTOM w0.086: v1(13.5,56.27) 13.5,56.31 14.78,57.59 15.18,57.59 15.62,57.15 16.64,57.15 17.36,57.88 34.71,57.88 37.4,55.18 R1311.2
EMMC_D6/FSPI_CS0: length 10.9
  TOP w0.089: U1000.W32 v1(46.76,53.88)
  BOTTOM w0.086: R1311.1 37.4,54.21 37.36,54.17 R1305.1 37.6,53.85 37.66,53.91 37.92,53.91 37.92,53.91 38.26,53.91 38.45,53.72 39.67,53.72 39.88,53.52 44.99,53.52
  BOTTOM w0.089: 44.99,53.52 46.4,53.52 v1(46.76,53.88)
EMMC_D7: length 30
  TOP w0.086: R1316.2 36.29,53.12 36.25,53.09 34.67,53.09 33.98,53.09 33.35,52.45 33.35,51.93 33.26,51.85 29.82,51.85 29.74,51.93 18.78,51.93 18.03,52.68 16.41,52.68 16.13,52.96 14.99,52.96 14.86,53.09 14.86,53.38 14.95,53.47 16,53.47 16.14,53.61 16.14,53.85 16.02,53.98 14.99,53.98 14.86,54.1 14.86,54.27 14.95,54.36 15.53,54.36 15.62,54.44 15.62,54.63 15.53,54.72 14.45,54.72 13.95,55.22 U4000.B6